# Altium PCB HDMI_to_RGB.PcbDoc
Units mil, origin at the board's own origin, x right, y up, seen from the top; angles counter-clockwise.
Board outline 3929 x 1993 mil, 2 copper layers (Top Layer, Bottom Layer); 97 components, 120 nets, 477 pads, 168 vias.
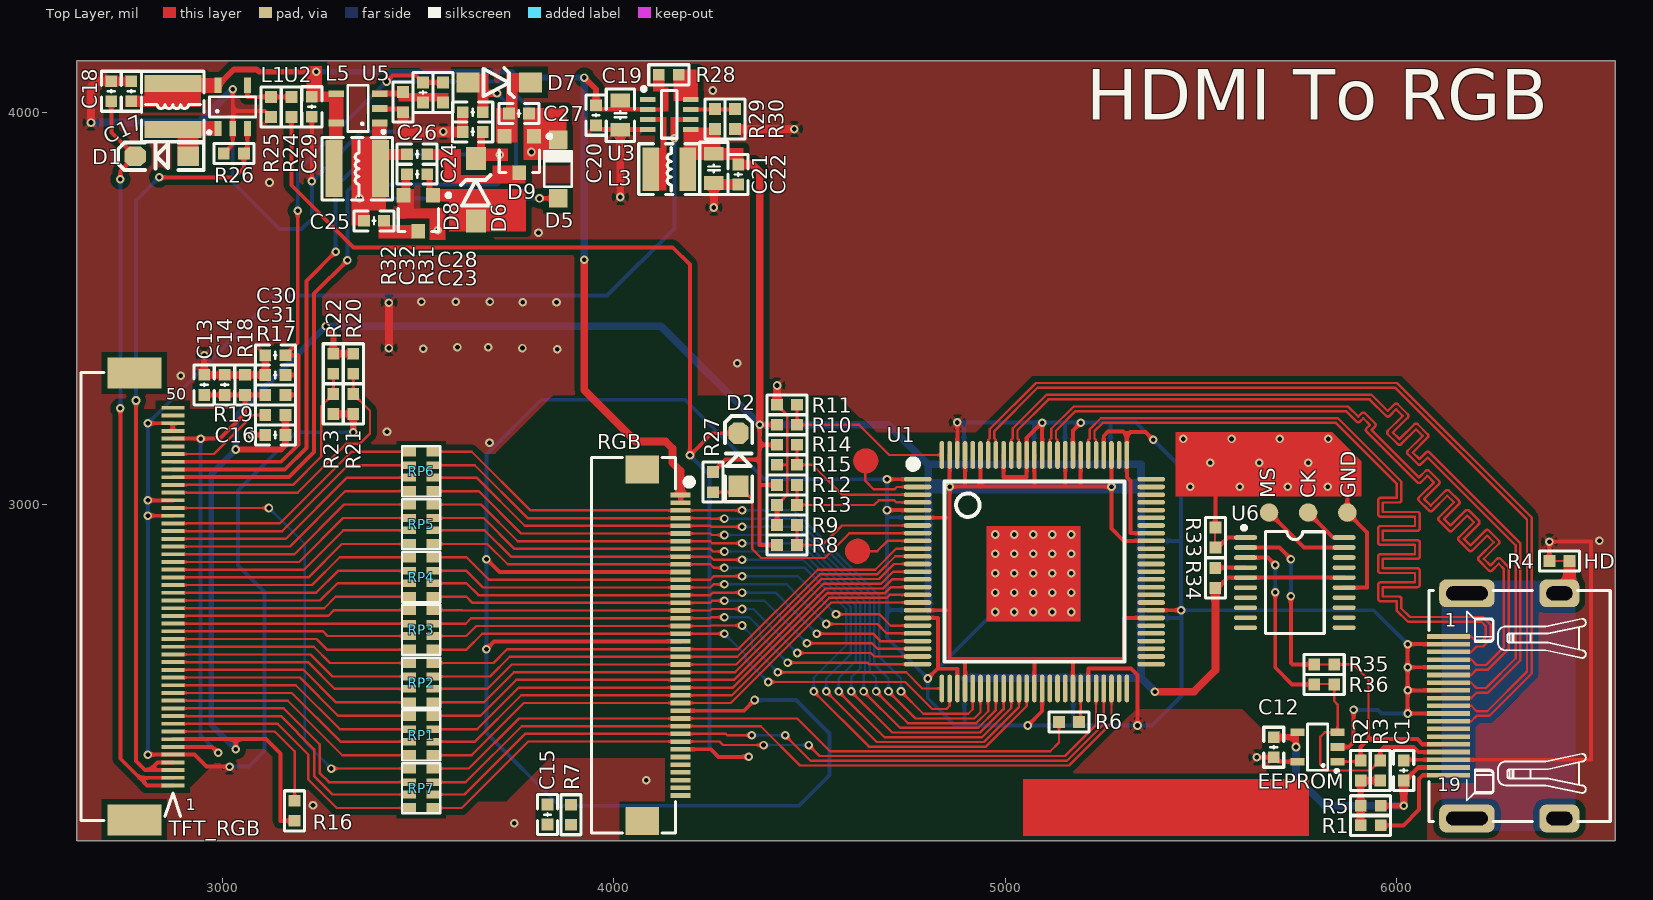
[diagram p0: Top Layer view]
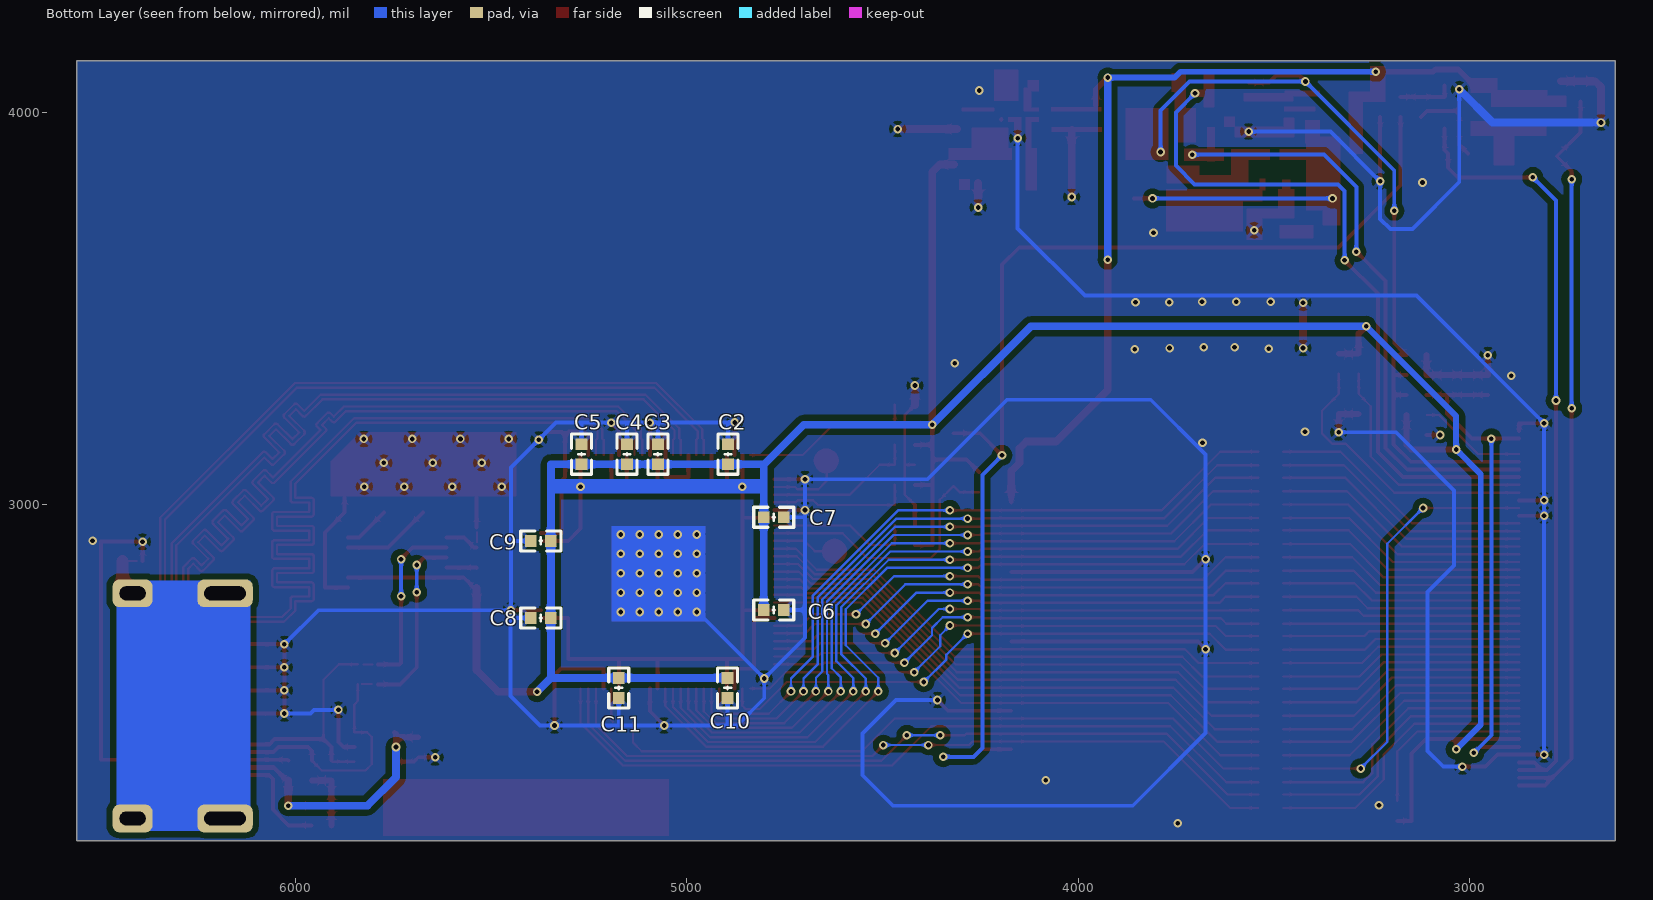
[diagram p1: Bottom Layer view, seen from below]
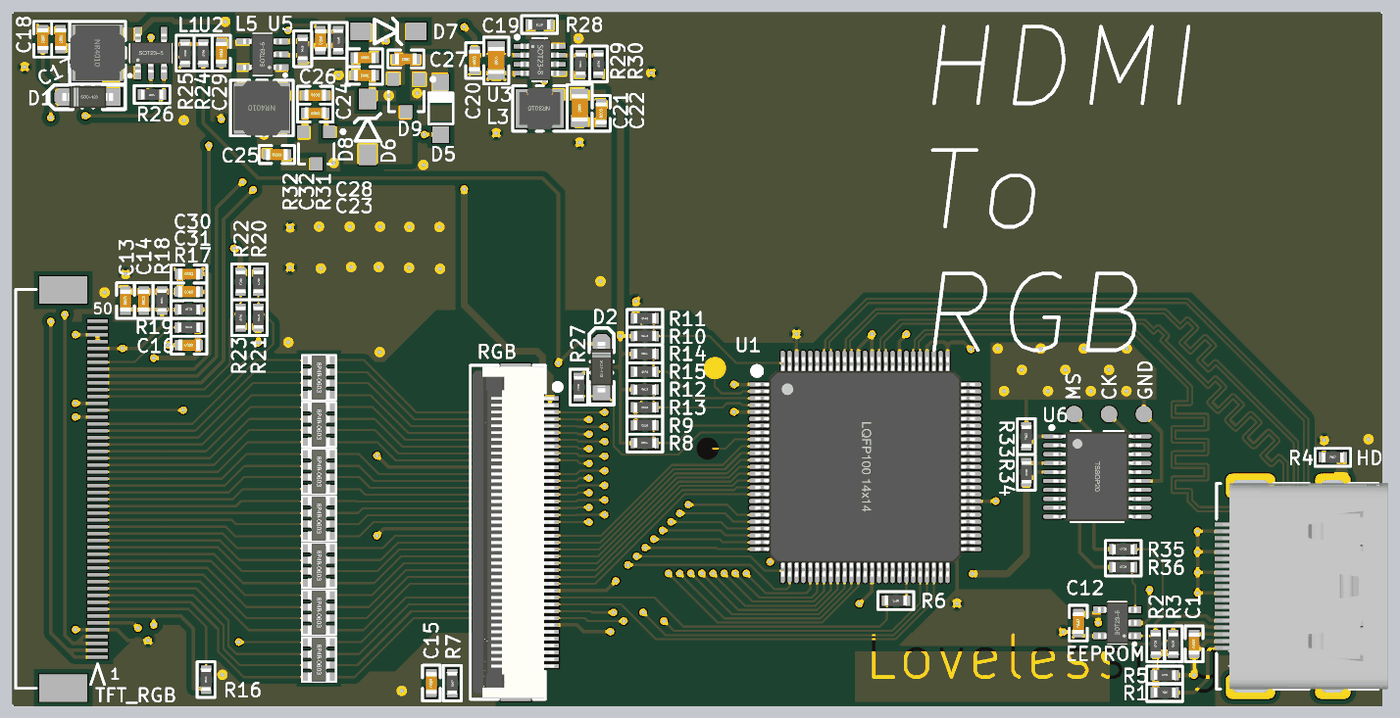
[diagram p2: 3D render of the assembled board from above, using the file's embedded part models]
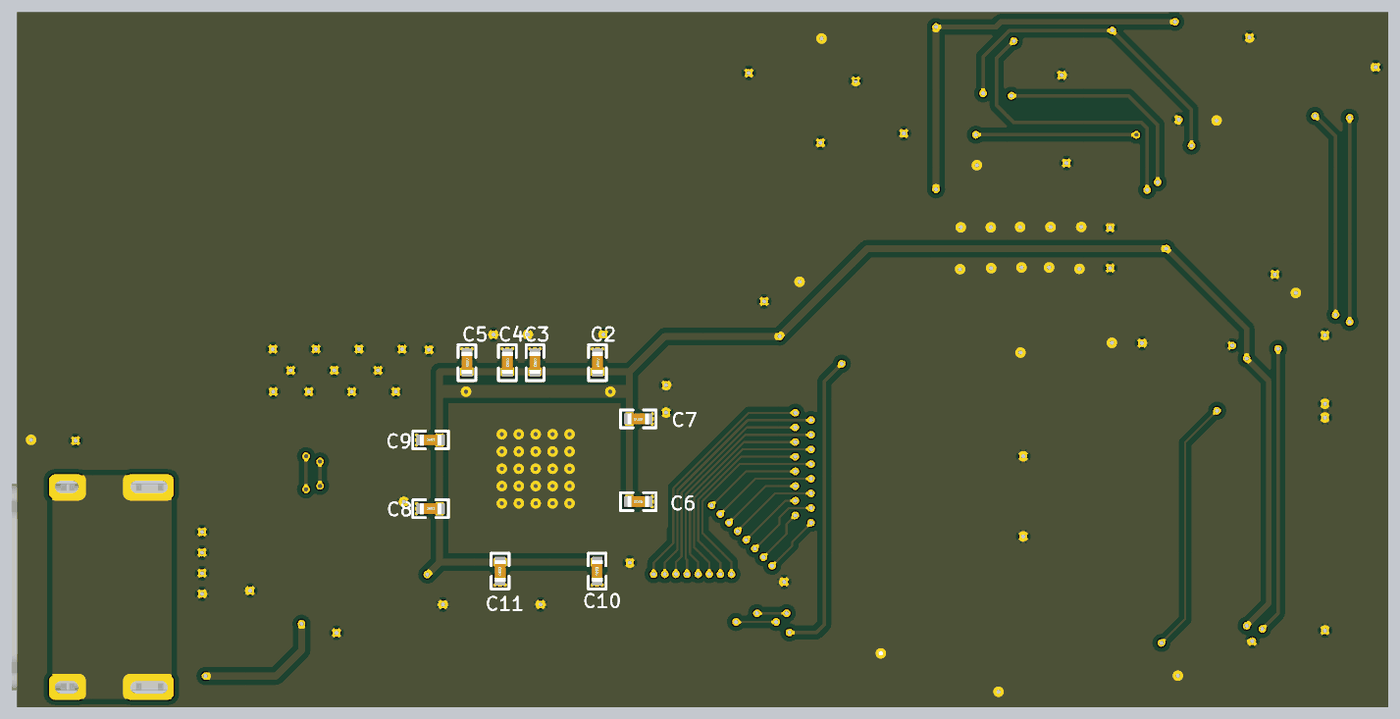
[diagram p3: 3D render of the assembled board from below, using the file's embedded part models]

## Layer stack, top to bottom
Top Solder: solder mask 0.4, Solder Resist, Dk 3.5
Top Layer: signal copper 1.4
Dielectric 1: dielectric 12.6, FR-4, Dk 4.8
Bottom Layer: signal copper 1.4
Bottom Solder: solder mask 0.4, Solder Resist, Dk 3.5

## Board outline
2629,2140 6558,2140 6558,4133 2629,4133

## Design rules (kind name [scope] priority, off if disabled: settings)
Clearance [All] p1: gap=15
DiffPairsRouting DiffPair_hdmiDiffPairsRouting [All] p1: maxlimit=6 minlimit=6 mostfreqgap=6 toplayer_minwidth=6 toplayer_maxwidth=6 toplayer_prefwidth=6 bottomlayer_minwidth=6 bottomlayer_maxwidth=6 bottomlayer_prefwidth=6 maxuncoupledlength=500
DiffPairsRouting [All] p2: maxlimit=10 minlimit=10 mostfreqgap=10 toplayer_minwidth=15 toplayer_maxwidth=15 toplayer_prefwidth=15 bottomlayer_minwidth=15 bottomlayer_maxwidth=15 bottomlayer_prefwidth=15 maxuncoupledlength=500
MatchedLengths DiffPair_hdmiMatchedLengths [All] p1: tolerance=1000 checknetsindiffpair=FALSE checkdiffpairvsdiffpair=TRUE checkxsignals=TRUE checkothers=TRUE
PolygonConnect [All] p1: connectstyle=Relief reliefconductorwidth=10 reliefentries=4 polygonreliefangle="45 Angle" airgapwidth=10
RoutingVias [All] p1: holewidth=12 width=22 viastyle="Through Hole" minholewidth=12 minwidth=22 maxholewidth=200 maxwidth=500
SolderMaskExpansion [All] p1: expansion=4
Width [All] p1: maxlimit=500 minlimit=6 preferedwidth=6 minimp=50.000000 maximp=50.000000 favimp=50.000000
29 further rules are at their usual default settings.

## Components (designator, comment, footprint, x,y, rotation, side; value= is the part's Value field where it differs from the comment)
C1 "104" "C 0603_L" 6018,2320 r90 top
C2 "104" "C 0603_L" 4895,3128 r270 bottom
C3 "104" "C 0603_L" 5074,3128 r270 bottom
C4 "104" "C 0603_L" 5153,3128 r270 bottom
C5 "104" "C 0603_L" 5269,3128 r270 bottom
C6 "104" "C 0603_L" 4778,2730 r0 bottom
C7 "104" "C 0603_L" 4778,2967 r0 bottom
C8 "104" "C 0603_L" 5373,2709.69 r180 bottom
C9 "104" "C 0603_L" 5373,2906.54 r180 bottom
C10 "104" "C 0603_L" 4896,2531 r90 bottom
C11 "4.7uF" "C 0603_L" 5174,2531 r90 bottom
C12 "104" "C 0603_L" 5686,2379.41 r90 top
C13 "104" "C 0603_L" 2954,3305 r90 top
C14 "1uF" "C 0603_L" 3006.33,3305 r90 top
C15 "104" "C 0603_L" 3831,2207.41 r90 top
C16 "104" "C 0603_L" 3136,3177 r0 top
C17 "1uF" "C 0603_L" 2768,4055 r270 top
C18 "1uF" "C 0603_L" 2717,4055 r270 top
C19 "47uF" "C 0805_L" 4017,3994 r90 top
C20 "104" "C 0603_L" 3955,3994 r90 top
C21 "47uF" "C 0805_L" 4256,3858 r90 top
C22 "104" "C 0603_L" 4318,3842.26 r90 top
C23 "1uF" "C 0603_L" 3640,3951.26 r180 top
C24 "4.7uF" "C 0603_L" 3498,3843.26 r180 top
C25 "1uF" "C 0603_L" 3388,3724 r180 top
C26 "1uF" "C 0603_L" 3498,3894.26 r0 top
C27 "1uF" "C 0603_L" 3758,3998.26 r180 top
C28 "4.7uF" "C 0603_L" 3640,4001.67 r0 top
C29 "10uF" "C 0603_L" 3229,4015.26 r90 top
C30 "10uF" "C 0603_L" 3136,3381 r0 top
C31 "104" "C 0603_L" 3135.99,3330.2 r180 top
C32 "22" "C 0603_L" 3513,4051.67 r270 top
CK "TEST POINT" TP-1.5 5774,2979 r0 top
D1 "MBR0520" SOD-123#1 2845.5,3889 r180 top
D2 "IN4148" SOD-123#1 4319,3114 r90 top
D5 "MBR0520" SOD-123#2 3858,3856.26 r270 top
D6 "ZMM3V9" DIODE_ZMMx 3648,3803.26 r90 top
D7 "ZMM4V7" DIODE_ZMMx 3708,4077.26 r0 top
D8 "BAT54S" SOT-23 3501,3748.26 r180 top
D9 "BAT54S" SOT-23 3759,3898.52 r180 top
EEPROM "AT24C02" AT24C02 5798,2380 r90 top
GND "TEST POINT" TP-1.5 5874,2979 r90 top
HD "HDMI" HDMI_A 6278,2485 r270 top locked
L1 "4.7uH" NR4010 2874,4016 r270 top
L3 "1uH" NR3015 4142,3856 r180 top
L5 "4.7uH" NR4010 3345,3857.26 r180 top
MS "TEST POINT" TP-1.5 5674,2979 r0 top
R1 "10K" "R 0603_L" 5933.6,2180 r0 top
R2 "10K" "R 0603_L" 5908,2320 r90 top
R3 "10K" "R 0603_L" 5958,2320 r90 top
R4 "0R" "R 0603_L" 6415.8,2855 r0 top
R5 "0R" "R 0603_L" 5933.6,2230 r0 top
R6 "22R" "R 0603_L" 5163,2444 r180 top
R7 "1K" "R 0603_L" 3891,2207 r270 top
R8 "10K" "R 0603_L" 4443,2896 r0 top
R9 "NC" "R 0603_L" 4443,2947.19 r180 top
R10 "NC" "R 0603_L" 4443,3203 r0 top
R11 "10K" "R 0603_L" 4443,3254 r180 top
R12 "NC" "R 0603_L" 4443,3049.6 r0 top
R13 "10K" "R 0603_L" 4442.99,2998.39 r180 top
R14 "NC" "R 0603_L" 4443,3152 r0 top
R15 "10K" "R 0603_L" 4443,3100.79 r180 top
R16 "4.7K" "R 0603_L" 3185,2217 r90 top
R17 "51K" "R 0603_L" 3136,3279.41 r0 top
R18 "39K" "R 0603_L" 3058.67,3305 r90 top
R19 "10K" "R 0603_L" 3136,3228 r0 top
R20 "10K" "R 0603_L" 3335,3359 r270 top
R21 "10K" "R 0603_L" 3335,3256 r270 top
R22 "10K" "R 0603_L" 3284,3359 r270 top
R23 "10K" "R 0603_L" 3284,3256 r270 top
R24 "1K" "R 0603_L" 3177,4015 r270 top
R25 "10K" "R 0603_L" 3125,4015 r270 top
R26 "10R" "R 0603_L" 3030,3896 r180 top
R27 "10K" "R 0603_L" 4254,3056.68 r90 top
R28 "10K" "R 0603_L" 4141,4097 r180 top
R29 "180K" "R 0603_L" 4259,3984 r90 top
R30 "40.2K" "R 0603_L" 4310,3984 r270 top
R31 "732K" "R 0603_L" 3564,4051.67 r270 top
R32 "100K" "R 0603_L" 3462,4027.26 r90 top
R33 "10K" "R 0603_L" 5537,2915 r90 top
R34 "10K" "R 0603_L" 5537,2812 r270 top
R35 "10R" "R 0603_L" 5815,2591 r0 top
R36 "10R" "R 0603_L" 5815,2540 r0 top
RGB "RGBLCD" "FPC0.5 2H-WS-40P" 4073,2640 r270 top
RP1 "33R" P_pack 3508.5,2409.51 r180 top
RP2 "33R" P_pack 3508.5,2544.4 r180 top
RP3 "33R" P_pack 3508.5,2679.3 r180 top
RP4 "33R" P_pack 3508.5,2814.2 r180 top
RP5 "33R" P_pack 3508.5,2949.1 r180 top
RP6 "33R" P_pack 3508.5,3084 r180 top
RP7 "33R" P_pack 3508.5,2274.61 r180 top
TFT_RGB "TFTLCD" FPC-TOP50 2874,2281.87 r90 top
U1 "tfp401a" LQFP100 5074.76,2827.8 r270 top locked
U2 "MP3302DJ" SOT23-5L 3027,4015 r0 top
U3 "MP2144" SOT23-8L 4142,3996 r270 top
U5 "TPS61040" SOT23-5L 3347,4011.26 r90 top
U6 "stm32F030f4p6" TSSOP20_N 5740,2800 r0 top

## Footprints (in the part's own frame and the unit in brackets; to place one, negate y for a bottom-side part, rotate by r counter-clockwise, add the part's x,y. Pads: shape width x height; smd on the part's side, far side on the other; paste and mask are expansions set on the pad)
AT24C02 [mm]
  rect 0.5x0.9 smd: 1(-0.95,-1.3) 2(0,-1.3) 3(0.95,-1.3) 4(0.95,1.3) 5(-0.95,1.3)
  silkscreen extent -1.63,-1.32 1.5,0.66, body extent -1.5,-1.4 1.5,1.4, height 1.15
"C 0603_L" [mil] "无极性贴片电容"
  rect 30x30 smd: 1(-25.59,0) 2(25.59,0)
  silkscreen extent -51,-26 51,26, body extent -31,-16 31,16, height 32
"C 0805_L" [mil] "无极性贴片电容"
  rect 35x50 smd: 1(-37.4,0) 2(37.4,0)
  silkscreen extent -67,-36 67,36, body extent -39,-24 39,24, height 20
DIODE_ZMMx [mm]
  rect 1.5x1.3 smd: 1(-2.032,0) 2(2.032,0)
  silkscreen extent -1.02,-0.95 0.95,0.95
"FPC0.5 2H-WS-40P" [mm] "长：24.2mm，宽：5.2mm，高：2mm"
  rect 1.8x2.2 smd: 0(-11.4,0) 0(11.4,0)
  rect 0.3x1.3 smd: 1(-9.75,2.497) 2(-9.25,2.497) 3(-8.75,2.497) 4(-8.25,2.497) 5(-7.75,2.497) 6(-7.25,2.497) 7(-6.75,2.497) 8(-6.25,2.497) 9(-5.75,2.497) 10(-5.25,2.497) 11(-4.75,2.497) 12(-4.25,2.497) 13(-3.75,2.497) 14(-3.25,2.497) 15(-2.75,2.497) 16(-2.25,2.497) 17(-1.75,2.497) 18(-1.25,2.497) 19(-0.75,2.497) 20(-0.25,2.497) 21(0.25,2.497) 22(0.75,2.497) 23(1.25,2.497) 24(1.75,2.497) 25(2.25,2.497) 26(2.75,2.497) 27(3.25,2.497) 28(3.75,2.497) 29(4.25,2.497) 30(4.75,2.497) 31(5.25,2.497) 32(5.75,2.497) 33(6.25,2.497) 34(6.75,2.497) 35(7.25,2.497) 36(7.75,2.497) 37(8.25,2.497) 38(8.75,2.497) 39(9.25,2.497) 40(9.75,2.497)
  silkscreen extent -12.17,-3.3 12.17,3.23, body extent -12.1,-3.15 12.1,2.85, height 2
FPC-TOP50 [mm]
  rect 0.25x1.5 smd: 1(0,0) 2(0.5,0) 3(1,0) 4(1.5,0) 5(2,0) 6(2.5,0) 7(3,0) 8(3.5,0) 9(4,0) 10(4.5,0) 11(5,0) 12(5.5,0) 13(6,0) 14(6.5,0) 15(7,0) 16(7.5,0) 17(8,0) 18(8.5,0) 19(9,0) 20(9.5,0) 21(10,0) 22(10.5,0) 23(11,0) 24(11.5,0) 25(12,0) 26(12.5,0) 27(13,0) 28(13.5,0) 29(14,0) 30(14.5,0) 31(15,0) 32(15.5,0) 33(16,0) 34(16.5,0) 35(17,0) 36(17.5,0) 37(18,0) 38(18.5,0) 39(19,0) 40(19.5,0) 41(20,0) 42(20.5,0) 43(21,0) 44(21.5,0) 45(22,0) 46(22.5,0) 47(23,0) 48(23.5,0) 49(24,0) 50(24.5,0)
  rect 2x3.5 smd: A(-2.25,2.5) B(26.75,2.5)
  silkscreen extent -2.29,-0.5 26.8,5.97
HDMI_A [mm]
  rect 0.3x2.794 smd mask+0.05: 1(-4.507,-3.697) 2(-4.007,-3.697) 3(-3.507,-3.697) 4(-3.007,-3.697) 5(-2.507,-3.697) 6(-2.007,-3.697) 7(-1.507,-3.697) 8(-1.007,-3.697) 9(-0.507,-3.697) 10(-0.007,-3.697) 11(0.493,-3.697) 12(0.993,-3.697) 13(1.493,-3.697) 14(1.993,-3.697) 15(2.493,-3.697) 16(2.993,-3.697) 17(3.493,-3.697) 18(3.993,-3.697) 19(4.493,-3.697)
  rrect50% 1.8x3.6 hole 0.9 slot 2.7 at 90 deg: G1(7.302,-2.5) G4(-7.302,-2.5)
  rrect50% 1.8x2.6 hole 0.9 slot 1.7 at 90 deg: G2(7.302,3.5) G3(-7.302,3.5)
  silkscreen extent -7.49,-4.97 7.49,6.8, body extent -7.51,-4.5 7.49,7.5, height 6.08
LQFP100 [mm]
  oval 0.3x1.8 smd: 1(-6,-7.575) 2(-5.5,-7.575) 3(-5,-7.575) 4(-4.5,-7.575) 5(-4,-7.575) 6(-3.5,-7.575) 7(-3,-7.575) 8(-2.5,-7.575) 9(-2,-7.575) 10(-1.5,-7.575) 11(-1,-7.575) 12(-0.5,-7.575) 13(0,-7.575) 14(0.5,-7.575) 15(1,-7.575) 16(1.5,-7.575) 17(2,-7.575) 18(2.5,-7.575) 19(3,-7.575) 20(3.5,-7.575) 21(4,-7.575) 22(4.5,-7.575) 23(5,-7.575) 24(5.5,-7.575) 25(6,-7.575) 51(6,7.575) 52(5.5,7.575) 53(5,7.575) 54(4.5,7.575) 55(4,7.575) 56(3.5,7.575) 57(3,7.575) 58(2.5,7.575) 59(2,7.575) 60(1.5,7.575) 61(1,7.575) 62(0.5,7.575) 63(0,7.575) 64(-0.5,7.575) 65(-1,7.575) 66(-1.5,7.575) 67(-2,7.575) 68(-2.5,7.575) 69(-3,7.575) 70(-3.5,7.575) 71(-4,7.575) 72(-4.5,7.575) 73(-5,7.575) 74(-5.5,7.575) 75(-6,7.575)
  oval 1.8x0.3 smd: 26(7.575,-6) 27(7.575,-5.5) 28(7.575,-5) 29(7.575,-4.5) 30(7.575,-4) 31(7.575,-3.5) 32(7.575,-3) 33(7.575,-2.5) 34(7.575,-2) 35(7.575,-1.5) 36(7.575,-1) 37(7.575,-0.5) 38(7.575,0) 39(7.575,0.5) 40(7.575,1) 41(7.575,1.5) 42(7.575,2) 43(7.575,2.5) 44(7.575,3) 45(7.575,3.5) 46(7.575,4) 47(7.575,4.5) 48(7.575,5) 49(7.575,5.5) 50(7.575,6) 76(-7.575,6) 77(-7.575,5.5) 78(-7.575,5) 79(-7.575,4.5) 80(-7.575,4) 81(-7.575,3.5) 82(-7.575,3) 83(-7.575,2.5) 84(-7.575,2) 85(-7.575,1.5) 86(-7.575,1) 87(-7.575,0.5) 88(-7.575,0) 89(-7.575,-0.5) 90(-7.575,-1) 91(-7.575,-1.5) 92(-7.575,-2) 93(-7.575,-2.5) 94(-7.575,-3) 95(-7.575,-3.5) 96(-7.575,-4) 97(-7.575,-4.5) 98(-7.575,-5) 99(-7.575,-5.5) 100(-7.575,-6)
  silkscreen extent -7.23,-8.12 5.84,5.84, body extent -8,-8 8,8, height 1.45
NR3015 [mm]
  rect 1.1x2.8 smd: 1(-1.2,0) 2(1.2,0)
  silkscreen extent -1.98,-1.65 1.98,1.65, body extent -1.5,-1.5 1.5,1.5, height 1.45
NR4010 [mm] "4.0mm*4.0mm*1.0mm(长*宽*高）"
  rect 1.1x3.7 smd: 1(-1.5,0) 2(1.5,0)
  silkscreen extent -2.29,-2.03 2.29,2.03, body extent -2,-2 2,2, height 1.1
P_pack [mm]
  rect 0.9x0.65 smd: 1(-0.8,1.28) 2(0.8,1.28) 7(-0.8,-1.28) 8(0.8,-1.28)
  rect 0.9x0.5 smd: 3(-0.8,0.4) 4(0.8,0.4) 5(-0.8,-0.4) 6(0.8,-0.4)
  silkscreen extent -1.24,-1.63 1.24,1.63, body extent -0.8,-1.6 0.8,1.6, height 0.6
"R 0603_L" [mil] "1/10W贴片电阻"
  rect 30x30 smd: 1(-25.59,0) 2(25.59,0)
  silkscreen extent -51,-26 51,26, body extent -31,-16 32,16, height 16
SOD-123#1 [mil] "2.7x1.6X1.1mm（长宽高，不包括引脚）"
  rect 55x50 smd: 1(-67.5,0)
  oct 55x50 smd: 2(67.5,0)
  silkscreen extent -108,-35 112,35, body extent -73,-31 73,31, height 48
SOD-123#2 [mil]
  rect 47.24x47.24 smd: 1(75,0) 2(-75,0)
  silkscreen extent -45,-35 45,35
SOT23-5L [mm] "3x1.6x1.1mm(长宽高)"
  rect 0.45x1 smd: 1(-0.95,-1.4) 2(0,-1.4) 3(0.95,-1.4) 4(0.95,1.4) 5(-0.95,1.4)
  silkscreen extent -1.6,-1.73 1.5,0.66, body extent -1.5,-1.4 1.5,1.4, height 1.15
SOT23-8L [mm] "3x1.6x1.1mm(长宽高)"
  rect 0.325x1 smd: 1(-0.975,-1.397) 2(-0.325,-1.397) 3(0.325,-1.397) 4(0.975,-1.397) 5(0.975,1.397) 6(0.325,1.397) 7(-0.325,1.397) 8(-0.975,1.397)
  silkscreen extent -1.77,-1.78 1.55,0.51, body extent -1.5,-1.4 1.5,1.4, height 1.15
SOT-23 [mm]
  rect 0.9x0.95 smd: 1(-0.95,-1.048) 2(0.95,-1.048) 3(0,1.302)
  silkscreen extent -2.07,-1.17 1.3,1.3
TP-1.5 [mm]
  round 1.2 smd: 1(0,0)
TSSOP20_N [mm] "6.5*6.4*1（长宽高）"
  oval 1.5x0.3 smd: 1(-3.2,2.925) 2(-3.2,2.275) 3(-3.2,1.625) 4(-3.2,0.975) 5(-3.2,0.325) 6(-3.2,-0.325) 7(-3.2,-0.975) 8(-3.2,-1.625) 9(-3.2,-2.275) 10(-3.2,-2.925) 11(3.2,-2.925) 12(3.2,-2.275) 13(3.2,-1.625) 14(3.2,-0.975) 15(3.2,-0.325) 16(3.2,0.325) 17(3.2,0.975) 18(3.2,1.625) 19(3.2,2.275) 20(3.2,2.925)
  silkscreen extent -3.43,-3.3 1.91,3.69, body extent -3.2,-3.25 3.2,3.25, height 1.03

## Part data
C1 C2 C3 C4 C5 C6 C7 C8 C9 C10 C11 C12 C13 C14 C15 C16 C17 C18 C19 C20 C21 C22 C23 C24 C25 C26 C27 C28 C29 C30 C31 C32: library part C
CK GND MS: library part TEST-POINT, "测试点"
D1 D2 D5: library part D, "1N4148"
D6 D7: library part ZMM3V6, "ZMM3V6"
D8 D9: "双肖特基二极管"
L1 L3: library part L
L5: library part L_SOP
R1 R2 R3 R4 R5 R6 R7 R8 R9 R10 R11 R12 R13 R14 R15 R16 R17 R18 R19 R20 R21 R22 R23 R24 R25 R26 R27 R28 R29 R30 R31 R32 R33 R34 R35 R36: library part R
RGB: library part FPC-40, "FPC-40P-0.5mm"
RP1 RP2 RP3 RP4 RP5 RP6 RP7: library part R_pack
TFT_RGB: library part AT070TN92, "7' TFTLCD"
U2: library part MP3302, "LCD背光IC"
U5: "DC DC Step Up IC"
U6: library part stm32f030

## Via types
v1: diameter 22, hole 12, Top Layer to Bottom Layer, 102 vias
v2: diameter 22/22 (per signal layer), hole 12, Top Layer to Bottom Layer, 66 vias

## Nets (pads, with @x,y where several pads share a name; then routed paths per layer and width w, separated by ;. In a path a pad name is that pad's centre, name@x,y a point inside that pad or via, vN(x,y) a via of type N, cw(c..) or ccw(c..) an arc to the next point about the centre after c; other vN are vias at no path point)
BOOT0: R33.1 U6.1 | length 87.7
  Top Layer w10: R33.1 5543.41,2889.41 5569.16,2915.16 U6.1
CLK: R6.2 RGB.30 RP7.7 | length 1747.1
  Top Layer w6: RP7.7 3630,2325 3757.99,2452.99 RGB.30 4469.01,2452.99 4553,2369 5115,2369 5137.41,2391.41 R6.2
CLKN: HD.12 U1.94 | length 2304.5
  Top Layer w6: U1.94 4956.65,3164.47 4960.49,3168.31 4960.49,3191.97 5078.52,3310 6000.97,3310 6345,2965.97 6345,2568.03 6257.49,2480.51 6236.57,2459.6 6204.13,2459.6 6190.45,2445.92 HD.12
CLKP: HD.10 U1.93 | length 2244.9
  Top Layer w6: U1.93 4976.33,3164.47 4972.49,3168.31 4972.49,3187 5083.49,3298 5996,3298 6333,2961 6333,2573 6231.6,2471.6 6204.13,2471.6 6190.45,2485.29 HD.10
D0N: HD.9 U1.91 | length 2307.6
  Top Layer w6: U1.91 5015.7,3164.47 5019.54,3168.31 5019.54,3193.97 5105.57,3280 5935.97,3280 5977.46,3238.51 5994.38,3255.44 cw(c5998.62,3251.2) 6002.86,3255.44 ; 6002.88,3255.42 6028.32,3229.98 cw(c6024.08,3225.74) 6030.08,3225.74 cw(c6024.08,3225.74) 6028.32,3221.5 5990.23,3183.41 6007.2,3166.44 6045.29,3204.53 cw(c6049.53,3200.28) 6053.78,3204.53 ; 6053.79,3204.51 6079.21,3179.09 ; 6079.21,3170.57 6041.14,3132.5 6058.11,3115.53 6075.04,3132.45 cw(c6079.28,3128.21) 6083.52,3132.45 ; 6079.23,3170.59 ccw(c6074.99,3174.83) 6080.99,3174.83 ccw(c6074.99,3174.83) 6079.23,3179.07 ; 6083.54,3132.43 6316,2899.97 6316,2601.69 6232.97,2518.66 6204.13,2518.66 6190.45,2504.97 HD.9
D0P: HD.7 U1.90 | length 2248
  Top Layer w6: U1.90 5035.39,3164.47 5031.54,3168.31 5031.54,3189 5110.54,3268 5931,3268 5973.21,3225.79 ccw(c5977.46,3230.03) 5981.7,3225.79 5998.62,3242.71 6015.59,3225.74 5977.52,3187.67 ccw(c5981.75,3183.41) 5977.5,3179.16 6002.96,3153.71 ccw(c6007.2,3157.95) 6011.44,3153.71 ; 6011.46,3153.73 6049.53,3191.8 6066.5,3174.83 6028.43,3136.76 ; 6028.41,3136.74 ccw(c6032.66,3132.5) 6028.41,3128.25 6053.85,3102.82 ccw(c6058.11,3107.04) 6062.36,3102.8 6079.28,3119.72 6304,2895 6304,2606.66 6228,2530.66 6204.13,2530.66 6190.45,2544.34 HD.7
D1N: HD.6 U1.86 | length 2308.4
  Top Layer w6: U1.86 5114.13,3164.47 5117.97,3168.31 5117.97,3192.97 5175,3250 5875.97,3250 5901.97,3224 5910.5,3232.53 cw(c5914.75,3228.29) 5918.99,3232.53 5944.44,3207.08 cw(c5940.2,3202.83) 5946.2,3202.83 cw(c5940.2,3202.83) 5944.44,3198.59 5935.91,3190.06 6057.26,3068.71 6074.23,3085.68 cw(c6078.47,3081.44) 6082.72,3085.68 ; 6082.74,3085.66 6108.17,3060.22 cw(c6103.93,3055.98) 6109.93,3055.98 cw(c6103.93,3055.98) 6108.17,3051.74 6069.99,3013.55 6086.96,2996.58 6125.14,3034.77 cw(c6129.39,3030.53) 6133.63,3034.77 6159.08,3009.31 cw(c6154.84,3005.07) 6160.84,3005.07 cw(c6154.84,3005.07) 6159.08,3000.83 6120.9,2962.64 6137.87,2945.67 6176.06,2983.86 cw(c6180.3,2979.61) 6184.54,2983.86 6209.98,2958.42 cw(c6205.75,2954.16) 6211.75,2954.16 cw(c6205.75,2954.16) 6210,2949.92 6171.81,2911.73 6188.78,2894.76 6226.97,2932.94 cw(c6231.21,2928.7) 6235.45,2932.94 6260.91,2907.49 cw(c6256.67,2903.25) 6262.67,2903.25 cw(c6256.67,2903.25) 6260.91,2899 6222.72,2860.82 6239.69,2843.85 6256.67,2860.82 cw(c6260.91,2856.58) 6265.15,2860.82 6286,2839.97 6286,2630.74 6232.97,2577.71 6204.13,2577.71 6190.45,2564.03 HD.6
D1P: HD.4 U1.85 | length 2248.8
  Top Layer w6: U1.85 5133.81,3164.47 5129.97,3168.31 5129.97,3188 5179.97,3238 5871,3238 5897.73,3211.27 ccw(c5901.97,3215.51) 5906.21,3211.27 5914.75,3219.8 5931.72,3202.83 5923.18,3194.3 ccw(c5927.43,3190.06) 5923.18,3185.82 6053.02,3055.98 ccw(c6057.26,3060.22) 6061.5,3055.98 6078.47,3072.95 6095.45,3055.98 6057.26,3017.8 ccw(c6061.5,3013.55) 6057.26,3009.31 ; 6057.28,3009.29 6082.7,2983.88 ; 6082.72,2983.86 ccw(c6086.96,2988.1) 6091.2,2983.86 6129.39,3022.04 6146.36,3005.07 6108.17,2966.89 ccw(c6112.42,2962.64) 6108.17,2958.4 ; 6108.19,2958.38 6133.63,2932.94 ccw(c6137.87,2937.19) 6142.11,2932.94 ; HD.4 6190.45,2603.4 6204.13,2589.71 6228,2589.71 6274,2635.71 6274,2835 6260.91,2848.09 6243.96,2831.14 ; 6142.13,2932.96 6180.3,2971.13 6197.27,2954.16 6159.08,2915.97 ccw(c6163.33,2911.73) 6159.08,2907.49 ; 6159.1,2907.47 6184.52,2882.05 ; 6184.54,2882.03 ccw(c6188.78,2886.28) 6193.03,2882.03 6231.21,2920.22 6248.18,2903.25 6210.02,2865.08 ; 6210,2865.06 ccw(c6214.24,2860.82) 6210,2856.58 6235.45,2831.12 ccw(c6239.69,2835.36) 6243.94,2831.12
D2N: HD.3 U1.81 | length 2307
  Top Layer w6: U1.81 5212.55,3164.47 5216.39,3168.31 5216.39,3191.97 5244.42,3220 5849.97,3220 6012,3057.97 6012,3010.51 cw(c6006,3010.51) 6006,3004.51 5964.96,3004.51 5964.96,2980.51 6053.04,2980.51 cw(c6053.04,2974.51) 6059.04,2974.51 6059.04,2938.51 cw(c6053.04,2938.51) 6053.04,2932.51 5964.96,2932.51 5964.96,2908.51 6053.04,2908.51 cw(c6053.04,2902.51) 6059.04,2902.51 6059.04,2866.51 cw(c6053.04,2866.51) 6053.04,2860.51 5964.96,2860.51 5964.96,2836.51 6053.04,2836.51 cw(c6053.04,2830.51) 6059.04,2830.51 6059.04,2794.51 cw(c6053.04,2794.51) 6053.04,2788.51 5964.96,2788.51 5964.96,2764.51 6006,2764.51 cw(c6006,2758.51) 6012,2758.51 6012,2734 6034,2712 6220.97,2712 6240,2692.97 6240,2655.8 6220.97,2636.77 6204.13,2636.77 6190.45,2623.08 HD.3
D2P: HD.1 U1.80 | length 2247.4